# Altium PCB Motor.PcbDoc (part 1 of 2)
Units mm, origin at the board's own origin, x right, y up, seen from the top; angles counter-clockwise.
Board outline 250 x 130 mm, 2 copper layers (Top Layer, Bottom Layer), stack 1.671 mm thick; 225 components, 148 nets, 627 pads, 914 vias.
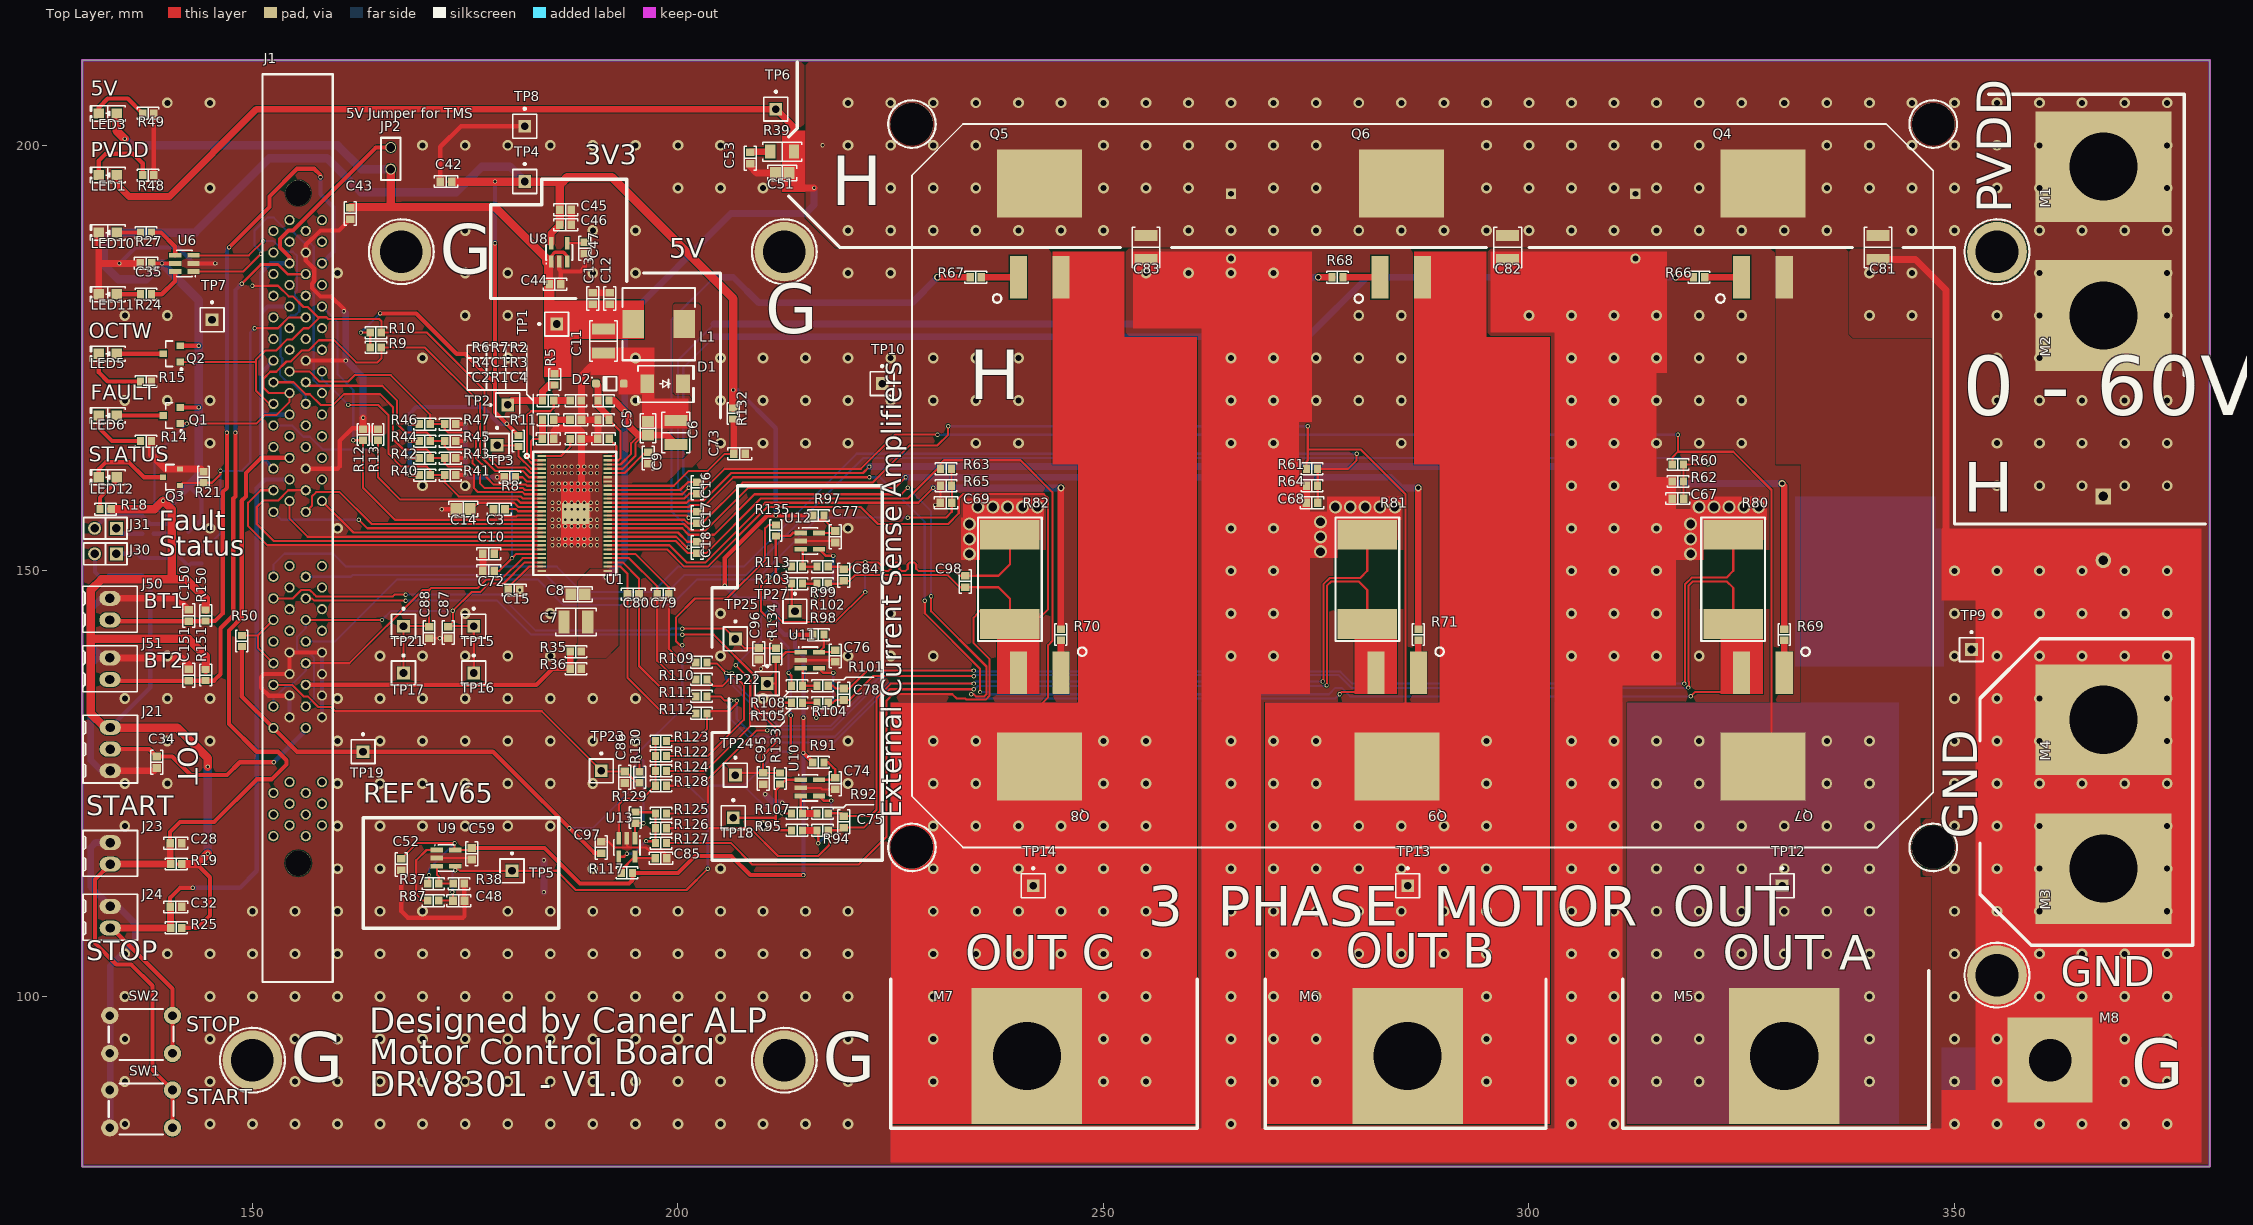
[diagram p0: Top Layer view]
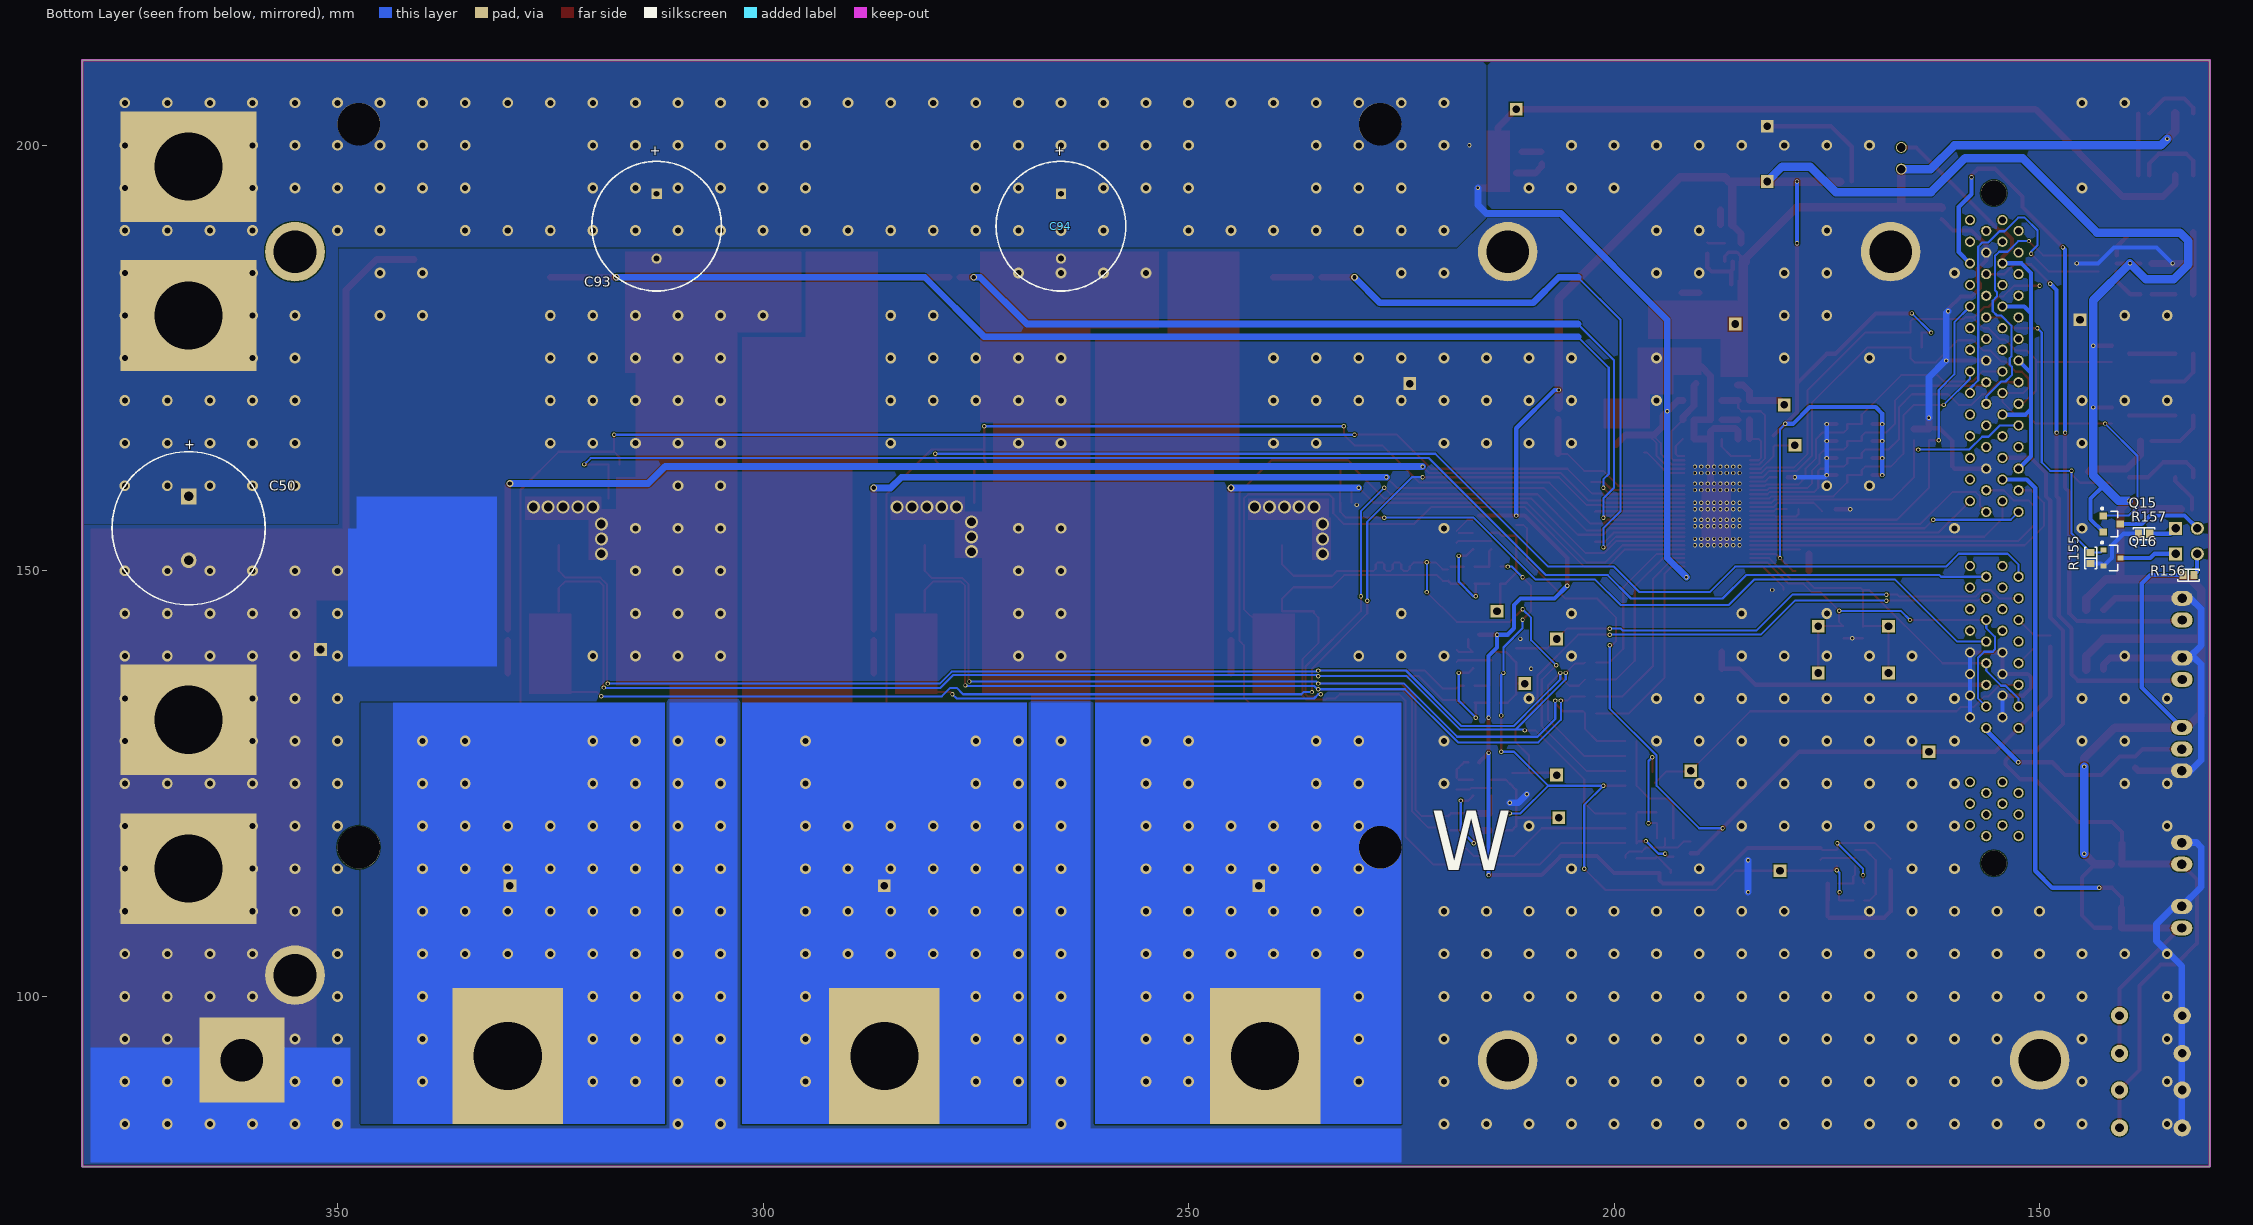
[diagram p1: Bottom Layer view, seen from below]

## Layer stack, top to bottom
Top Solder: solder mask 0.0102, Solder Resist, Dk 3.5
Top Layer: signal copper 0.0356
Dielectric 1: dielectric 1.6, FR-4, Dk 4.8
Bottom Layer: signal copper 0.0356
Bottom Solder: solder mask 0.0102, Solder Resist, Dk 3.5

## Board outline
130,80 380,80 380,210 130,210

## Design rules (kind name [scope] priority, off if disabled: settings)
Clearance [All] p1: gap=0.127 ignorepadtopadclearanceinfootprint=FALSE except(0: Arc-Hole Track-Hole SMDPad-Hole THPad-Hole Via-Hole Fill-Hole Poly-Hole Region-Hole Text-Hole)
DiffPairsRouting DiffPair_DIFF100Routing [All] p1: maxlimit=0.185 minlimit=0.135 mostfreqgap=0.16 toplayer_minwidth=0.2 toplayer_maxwidth=0.25 toplayer_prefwidth=0.25 bottomlayer_minwidth=0.2 bottomlayer_maxwidth=0.25 bottomlayer_prefwidth=0.25 maxuncoupledlength=12.7
DiffPairsRouting [All] p2: maxlimit=0.254 minlimit=0.254 mostfreqgap=0.254 toplayer_minwidth=0.381 toplayer_maxwidth=0.381 toplayer_prefwidth=0.381 bottomlayer_minwidth=0.381 bottomlayer_maxwidth=0.381 bottomlayer_prefwidth=0.381 maxuncoupledlength=12.7
Height [All] p1: minheight=0 maxheight=254 prefheight=12.7
MatchedLengths DiffPair_DIFF100MatchLength [InDifferentialPairClass('DIFF100')] p1: tolerance=0.127 checknetsindiffpair=TRUE checkdiffpairvsdiffpair=FALSE checkxsignals=FALSE checkothers=FALSE
PolygonConnect PolygonConnect_1 [All vs IsNamedPolygon('Top Layer-No Net 1')] p1: connectstyle=Direct reliefconductorwidth=0.254 reliefentries=4 polygonreliefangle="90 Angle" airgapwidth=0.254
PolygonConnect [All] p2: connectstyle=Relief reliefconductorwidth=0.254 reliefentries=4 polygonreliefangle="90 Angle" airgapwidth=0.254
RoutingVias [All] p1: holewidth=0.3 width=0.5 viastyle="Through Hole" minholewidth=0.3 minwidth=0.5 maxholewidth=1.27 maxwidth=1.5
SolderMaskExpansion [All] p1: expansion=0.102 istentingtop=FALSE
Width "Width Powers" [InNet('VCC*') or InNet('GND')] p1: maxlimit=4 minlimit=0.2 preferedwidth=0.8 minimp=50.000000 maximp=50.000000 favimp=50.000000
Width [All] p2: maxlimit=10 minlimit=0.2 preferedwidth=5 minimp=50.000000 maximp=50.000000 favimp=50.000000
28 further rules are at their usual default settings.

## Classes and differential pairs
component class TMS: C28 C32 C34 C35 C42 C43 J1 J21 J23 J24 J30 JP2 LED10 LED11 LED12 Q3 Q16 R18 R19 R21 R24 R25 R27 R35 R36 R155 R156 SW1 SW2 U6
component class Motor_Power: C44 C45 C46 C47 C48 C50 C51 C52 C53 C59 C74 C75 C76 C77 C78 C84 C87 C88 C95 C96 C97 C150 C151 J50 J51 LED1 LED3 M1 M2 M3 M4 R37 R38 R39 R48 R49 R50 R87 R91 R92 R94 R95 R97 R98 R99 R101 R102 R103 R104 R105 R107 R108 R113 R133 R134 R135 R150 R151 TP4 TP5 TP6 TP7 TP8 TP9 TP10 TP15 TP16 TP17 TP18 TP19 TP21 TP22 TP24 TP25 TP27 U8 U9 U10 U11 U12
component class Motor_PowerMosfet: C67 C68 C69 C79 C80 C81 C82 C83 C85 C86 C93 C94 C98 M5 M6 M7 M8 Q4 Q5 Q6 Q7 Q8 Q9 R60 R61 R62 R63 R64 R65 R66 R67 R68 R69 R70 R71 R80 R81 R82 R109 R110 R111 R112 R117 R122 R123 R124 R125 R126 R127 R128 R129 R130 TP12 TP13 TP14 TP23 U13
component class DRV8301: C1 C2 C3 C4 C5 C6 C7 C8 C9 C10 C11 C12 C13 C14 C15 C16 C17 C18 C72 C73 D1 D2 J31 L1 LED5 LED6 Q1 Q2 Q15 R1 R2 R3 R4 R5 R6 R7 R8 R9 R10 R11 R12 R13 R14 R15 R40 R41 R42 R43 R44 R45 R46 R47 R132 R157 TP1 TP2 TP3 U1
differential pair SENSE2: +SENSE2_P -SENSE2_N
differential pair SENSE3: +SENSE3_P -SENSE3_N
differential pair SENSE1: +SENSE1_P -SENSE1_N

## Components (designator, comment, footprint, x,y, rotation, side; value= is the part's Value field where it differs from the comment)
C1 "6800pF" "CAP 0603/1608" 188,167.75 r0 top
C2 "39pF" "CAP 0603/1608" 184.75,165.5 r0 top
C3 "0.022uF" "CAP 0603/1608" 179,157.25 r180 top
C4 "0.015uF" "CAP 0603/1608" 191.25,165.5 r180 top
C5 "0.10uF" "CAP 0805/2012" 196.5,166.75 r270 top
C6 "2.2uF" "CAP 1210/3225 - 2.5MM" 199.75,166.25 r270 top
C7 "2.2uF" "CAP 1210/3225 - 2.5MM" 188,144 r0 top
C8 "0.10uF" "CAP 0805/2012" 188.25,147.25 r0 top
C9 "0.1uF" "CAP 0603/1608" 196.5,163.25 r270 top
C10 "0.1uF" "CAP 0603/1608" 177.75,152 r0 top
C11 "47uF" "CAP 1210/3225 - 2.5MM" 191.25,177 r90 top
C12 "1uF" "CAP 0603/1608" 192,182 r270 top
C13 "0.1uF" "CAP 0603/1608" 190,182 r270 top
C14 "2.2uF" "CAP 0805/2012" 174.75,157.25 r0 top
C15 "0.1uF" "CAP 0603/1608" 180.75,147.75 r180 top
C16 "0.1uF" "CAP 0603/1608" 202.25,159.75 r90 top
C17 "0.1uF" "CAP 0603/1608" 202.25,156.25 r90 top
C18 "0.1uF" "CAP 0603/1608" 202.25,152.75 r90 top
C28 "0.1uF" "CAP 0603/1608" 141,118 r180 top
C32 "0.1uF" "CAP 0603/1608" 141,110.5 r180 top
C34 "0.1uF" "CAP 0603/1608" 138.75,127.5 r90 top
C35 "0.1uF" "CAP 0603/1608" 137.5,186.125 r0 top
C42 "0.1uF" "CAP 0603/1608" 172.75,195.75 r0 top
C43 "0.1uF" "CAP 0603/1608" 161.5,192 r90 top
C44 "2.2uF" "CAP 0603/1608" 185.55,183.675 r180 top
C45 "0.1uF" "CAP 0603/1608" 186.8,192.425 r180 top
C46 "2.2uF" "CAP 0603/1608" 186.8,190.675 r180 top
C47 "0.1uF" "CAP 0603/1608" 189.05,187.925 r90 top
C48 "2.2uF" "CAP 0603/1608" 174.25,111.25 r180 top
C50 "100V" CAPPR7.5-18x35.5 367.498,155 r270 bottom
C51 "0.10uF" "CAP 0805/2012" 212.25,196.75 r0 top
C52 "NP" "CAP 0603/1608" 167.5,115.5 r90 top
C53 "0.01uF" "CAP 0603/1608" 208.5,198.5 r90 top
C59 "0.1uF" "CAP 0603/1608" 175.75,116.75 r90 top
C67 "0.1uF" "CAP 0603/1608" 317.5,158.5 r0 top
C68 "0.1uF" "CAP 0603/1608" 274.5,158 r0 top
C69 "0.1uF" "CAP 0603/1608" 231.5,158 r0 top
C72 "0.1uF" "CAP 0603/1608" 177.75,150 r0 top
C73 "0.1uF" "CAP 0603/1608" 207.25,163.75 r180 top
C74 "0.1uF" "CAP 0603/1608" 218.5,125 r90 top
C75 "1000pF" "CAP 0603/1608" 219.5,120.5 r90 top
C76 "0.1uF" "CAP 0603/1608" 218.5,140 r90 top
C77 "0.1uF" "CAP 0603/1608" 218.5,154 r90 top
C78 "1000pF" "CAP 0603/1608" 219.5,135.5 r90 top
C79 "0.001uF" "CAP 0603/1608" 198.25,147.25 r0 top
C80 "0.001uF" "CAP 0603/1608" 194.75,147.25 r0 top
C81 "2.2uF" "CAP 1210/3225 - 2.5MM" 341,188 r90 top locked
C82 "2.2uF" "CAP 1210/3225 - 2.5MM" 297.5,188 r90 top locked
C83 "2.2uF" "CAP 1210/3225 - 2.5MM" 255,188 r90 top locked
C84 "1000pF" "CAP 0603/1608" 219.5,149.5 r90 top
C85 "0.1uF" "CAP 0603/1608" 198,116.25 r180 top
C86 "NP" "CAP 0603/1608" 193.75,125.75 r90 top
C87 "NP" "CAP 0603/1608" 173,142.75 r90 top
C88 "NP" "CAP 0603/1608" 170.75,142.75 r90 top
C93 "100V" RB7.6-15 312.5,190.5 r90 bottom
C94 "100V" RB7.6-15 265,190.5 r90 bottom
C95 "NP" "CAP 0603/1608" 210,125.6 r90 top
C96 "NP" "CAP 0603/1608" 209.5,140.25 r90 top
C97 "NP" "CAP 0603/1608" 191,117.5 r270 top
C98 "0.001uF" "CAP 0603/1608" 233.75,148.75 r270 top
C150 "0.1uF" "CAP 0603/1608" 142.5,144.75 r270 top
C151 "0.1uF" "CAP 0603/1608" 142.5,137.75 r270 top
D1 "SM6HT43A" "ST DO214AA SMB" 198.5,172 r0 top
D2 "1N5819" SOD-123 192,172 r0 top
J1 "Molex 5390213-1" DIMM100 155,153.75 r90 top locked
J21 "282834-3" "TE 282834-3" 133.3,129.05 r90 top
J23 "282834-2" "TE 282834-2" 133.3,116.8 r90 top
J24 "282834-2" "TE 282834-2" 133.3,109.3 r90 top
J30 "HDR_1x2" PINHEAD_2.54mm_1x2 134,152 r180 top
J31 "HDR_1x2" PINHEAD_2.54mm_1x2 134,155 r180 top
J50 "282834-2" "TE 282834-2" 133.25,145.5 r90 top
J51 "282834-2" "TE 282834-2" 133.25,138.5 r90 top
JP2 "Jumper" "Header 2.54mm - duplicate" 166.25,199.75 r270 top
L1 "Inductor" "9x9mm SMD Coil" 197.75,179 r180 top
LED1 "GREEN" "LED 0805/2012 YELLOW" 133,196.5 r180 top
LED3 "GREEN" "LED 0805/2012 YELLOW" 133,203.75 r180 top
LED5 "GREEN" "LED 0805/2012 YELLOW" 133,175.5 r180 top
LED6 "GREEN" "LED 0805/2012 YELLOW" 133,168.25 r180 top
LED10 "GREEN" "LED 0805/2012 YELLOW" 133,189.75 r180 top
LED11 "GREEN" "LED 0805/2012 YELLOW" 133,182.5 r180 top
LED12 "GREEN" "LED 0805/2012 YELLOW" 133,161 r180 top
M1 "Conn" "M5 Nut"#1 367.5,197.5 r90 top
M2 "Conn" "M5 Nut"#1 367.5,180 r90 top
M3 "Conn" "M5 Nut"#1 367.5,115 r90 top
M4 "Conn" "M5 Nut"#1 367.5,132.5 r90 top
M5 "Conn" "M5 Nut"#1 330,93 r0 top
M6 "Conn" "M5 Nut"#1 285.75,93 r0 top
M7 "Conn" "M5 Nut"#1 241,93 r0 top
M8 "Conn" "M5 Nut"#2 361.25,92.5 r0 top
Q1 "BVSS84LT1G" "ON SEMI SOT-23-3" 140.5,168.25 r180 top
Q2 "BVSS84LT1G" "ON SEMI SOT-23-3" 140.5,175.5 r180 top
Q3 "2N7002,215" "NXP SOT-23-3 TO-236AB" 140.5,161 r180 top
Q4 "MOSFET-N" TO263 327.5,192.5 r0 top locked
Q5 "MOSFET-N" TO263 242.5,192.5 r0 top locked
Q6 "MOSFET-N" TO263 285,192.5 r0 top locked
Q7 "MOSFET-N" TO263 327.5,130 r180 top locked
Q8 "MOSFET-N" TO263 242.5,130 r180 top locked
Q9 "MOSFET-N" TO263 284.5,130 r180 top locked
Q15 "BVSS84LT1G" "ON SEMI SOT-23-3" 141.5,155.5 r180 bottom
Q16 "2N7002,215" "NXP SOT-23-3 TO-236AB" 141.5,151.5 r180 bottom
R1 "205K" "RES 0603/1608" 188,165.5 r0 top
R2 "NP" "RES 0603/1608" 191.25,170 r0 top
R3 "NP" "RES 0603/1608" 191.25,167.75 r0 top
R4 "28K" "RES 0603/1608" 184.75,167.75 r0 top
R5 "0" "RES 0603/1608" 185.5,172.5 r90 top
R6 "53.6K" "RES 0603/1608" 184.75,170 r180 top
R7 "10K" "RES 0603/1608" 188,170 r180 top
R8 "1" "RES 0603/1608" 180.25,161 r180 top
R9 "10K" "RES 0603/1608" 164.5,176.25 r0 top
R10 "10K" "RES 0603/1608" 164.5,178 r0 top
R11 "10K" "RES 0603/1608" 181.25,165.25 r270 top
R12 "1K" "RES 0603/1608" 163,166 r270 top
R13 "1K" "RES 0603/1608" 164.75,166 r270 top
R14 "330" "RES 0603/1608" 137.5,165.25 r0 top
R15 "330" "RES 0603/1608" 137.5,172.25 r0 top
R18 "330" "RES 0603/1608" 132.75,157.25 r180 top
R19 "4.99K" "RES 0603/1608" 141.05,115.55 r0 top
R21 "1K" "RES 0603/1608" 144.25,161 r90 top
R24 "330" "RES 0603/1608" 137.5,182.5 r180 top
R25 "4.99K" "RES 0603/1608" 141.05,108.05 r0 top
R27 "330" "RES 0603/1608" 137.5,189.75 r180 top
R35 "95.3K" "RES 0603/1608" 188,140.5 r180 top
R36 "4.99K" "RES 0603/1608" 188,138.5 r0 top
R37 "10K" "RES 0603/1608" 171.25,113.25 r0 top
R38 "10K" "RES 0603/1608" 174.25,113.25 r0 top
R39 "3.3" "RES 1206/3216" 212.25,199.25 r0 top
R40 "NP" "RES 0603/1608" 170.25,161.25 r0 top
R41 "NP" "RES 0603/1608" 173.25,161.25 r0 top
R42 "NP" "RES 0603/1608" 170.25,163.25 r0 top
R43 "NP" "RES 0603/1608" 173.25,163.25 r0 top
R44 "NP" "RES 0603/1608" 170.25,165.25 r0 top
R45 "NP" "RES 0603/1608" 173.25,165.25 r0 top
R46 "NP" "RES 0603/1608" 170.25,167.25 r0 top
R47 "NP" "RES 0603/1608" 173.25,167.25 r0 top
R48 "4.99K" "RES 0603/1608" 137.75,196.5 r180 top
R49 "820" "RES 0603/1608" 137.75,203.75 r180 top
R50 "0" "RES 0603/1608" 148.75,141.75 r270 top
R60 "95.3K" "RES 0603/1608" 317.5,162.5 r0 top
R61 "95.3K" "RES 0603/1608" 274.5,162 r0 top
R62 "4.99K" "RES 0603/1608" 317.5,160.5 r0 top
R63 "95.3K" "RES 0603/1608" 231.5,162 r0 top
R64 "4.99K" "RES 0603/1608" 274.5,160 r0 top
R65 "4.99K" "RES 0603/1608" 231.5,160 r0 top
R66 "1" "RES 0603/1608" 320,184.5 r180 top
R67 "1" "RES 0603/1608" 235,184.5 r180 top
R68 "1" "RES 0603/1608" 277.5,184.5 r180 top
R69 "1" "RES 0603/1608" 330,142.5 r90 top
R70 "1" "RES 0603/1608" 245,142.5 r90 top
R71 "1" "RES 0603/1608" 287,142.5 r90 top
R80 "WSR05" RES 327.5,149 r90 top locked net-tie
R81 "WSR05" RES 284.5,149 r90 top locked net-tie
R82 "WSR05" RES 242.5,149 r90 top locked net-tie
R87 "10" "RES 0603/1608" 171.25,111.25 r0 top
R91 "0" "RES 0603/1608" 216.5,127.5 r0 top
R92 "1K" "RES 0603/1608" 217,121.5 r0 top
R94 "1K" "RES 0603/1608" 217,119.5 r0 top
R95 "20K" "RES 0603/1608" 214,119.5 r0 top
R97 "0" "RES 0603/1608" 216.5,156.5 r0 top
R98 "0" "RES 0603/1608" 216.5,142.5 r0 top
R99 "1K" "RES 0603/1608" 217,150.5 r0 top
R101 "1K" "RES 0603/1608" 217,136.5 r0 top
R102 "1K" "RES 0603/1608" 217,148.5 r0 top
R103 "20K" "RES 0603/1608" 214,148.5 r0 top
R104 "1K" "RES 0603/1608" 217,134.5 r0 top
R105 "20K" "RES 0603/1608" 214,134.5 r0 top
R107 "20K" "RES 0603/1608" 214,121.5 r0 top
R108 "20K" "RES 0603/1608" 214,136.5 r0 top
R109 "0" "RES 0603/1608" 202.75,139.25 r180 top
R110 "0" "RES 0603/1608" 202.75,137.25 r180 top
R111 "0" "RES 0603/1608" 202.75,135.25 r180 top
R112 "0" "RES 0603/1608" 202.75,133.25 r180 top
R113 "20K" "RES 0603/1608" 214,150.5 r0 top
R117 "0" "RES 0603/1608" 194,114.5 r180 top
R122 "4.99K" "RES 0603/1608" 198,128.25 r0 top
R123 "4.99K" "RES 0603/1608" 198,130 r0 top
R124 "4.99K" "RES 0603/1608" 198,126.5 r0 top
R125 "4.99K" "RES 0603/1608" 198,121.5 r0 top
R126 "4.99K" "RES 0603/1608" 198,119.75 r0 top
R127 "4.99K" "RES 0603/1608" 198,118 r0 top
R128 "49.9K" "RES 0603/1608" 198,124.75 r0 top
R129 "49.9K" "RES 0603/1608" 195,121 r90 top
R130 "0" "RES 0603/1608" 195.5,125.75 r90 top
R132 "0R" "RES 0603/1608" 206.5,168.5 r270 top
R133 "0" "RES 0603/1608" 212,125.6 r270 top
R134 "0" "RES 0603/1608" 211.5,140.25 r270 top
R135 "0" "RES 0603/1608" 211.5,154.75 r270 top
R150 "4.99K" "RES 0603/1608" 144.5,144.75 r90 top
R151 "4.99K" "RES 0603/1608" 144.5,137.75 r90 top
R155 "1K" "RES 0603/1608" 144,151.5 r270 bottom
R156 "330" "RES 0603/1608" 132.5,149.5 r0 bottom
R157 "330" "RES 0603/1608" 137.714,154.357 r180 bottom
SW1 "IT-2175" "Tick Tole Switch" 134,89.75 r270 top
SW2 "IT-2175" "Tick Tole Switch" 134,98.5 r270 top
TP1 "Socket" PIN1 185.75,179 r90 top
TP2 "Socket" PIN1 180,169.5 r90 top
TP3 "Socket" PIN1 178.75,164.75 r0 top
TP4 "Socket" PIN1 182,195.75 r0 top
TP5 "Socket" PIN1 180.5,114.75 r0 top
TP6 "Socket" PIN1 211.5,204.25 r0 top
TP7 "Socket" PIN1 145.25,179.5 r0 top
TP8 "Socket" PIN1 182,202.25 r0 top
TP9 "Socket" PIN1 352,140.75 r0 top
TP10 "Socket" PIN1 224,172 r0 top
TP12 "Socket" PIN1 329.75,113 r0 top
TP13 "Socket" PIN1 285.75,113 r0 top
TP14 "Socket" PIN1 241.75,113 r0 top
TP15 "Socket" PIN1 176,143.5 r0 top
TP16 "Socket" PIN1 176,138 r0 top
TP17 "Socket" PIN1 167.75,138 r0 top
TP18 "Socket" PIN1 206.5,121 r0 top
TP19 "Socket" PIN1 163,128.75 r0 top
TP21 "Socket" PIN1 167.75,143.5 r0 top
TP22 "Socket" PIN1 210.5,136.75 r0 top
TP23 "Socket" PIN1 191,126.5 r0 top
TP24 "Socket" PIN1 206.75,126 r0 top
TP25 "Socket" PIN1 206.75,142 r0 top
TP27 "Socket" PIN1 213.75,145.25 r0 top
U1 "DRV8301" HTSSOP56 184,163.5 r270 top locked
U6 "SN74LVC2G17" DBV006 142,186.125 r90 top
U8 "TPS736xx" DBV005 186.05,187.425 r0 top
U9 "TLV2781DBVR" DBV005 172.75,116.25 r270 top
U10 "TLV2781DBVR" DBV005 215.5,124.5 r270 top
U11 "TLV2781DBVR" DBV005 215.5,139.5 r270 top
U12 "TLV2781DBVR" DBV005 215.5,153.5 r270 top
U13 "OPA365DBVR" DBV005 194,117.5 r180 top
